# KiCad board RBCX.kicad_pcb
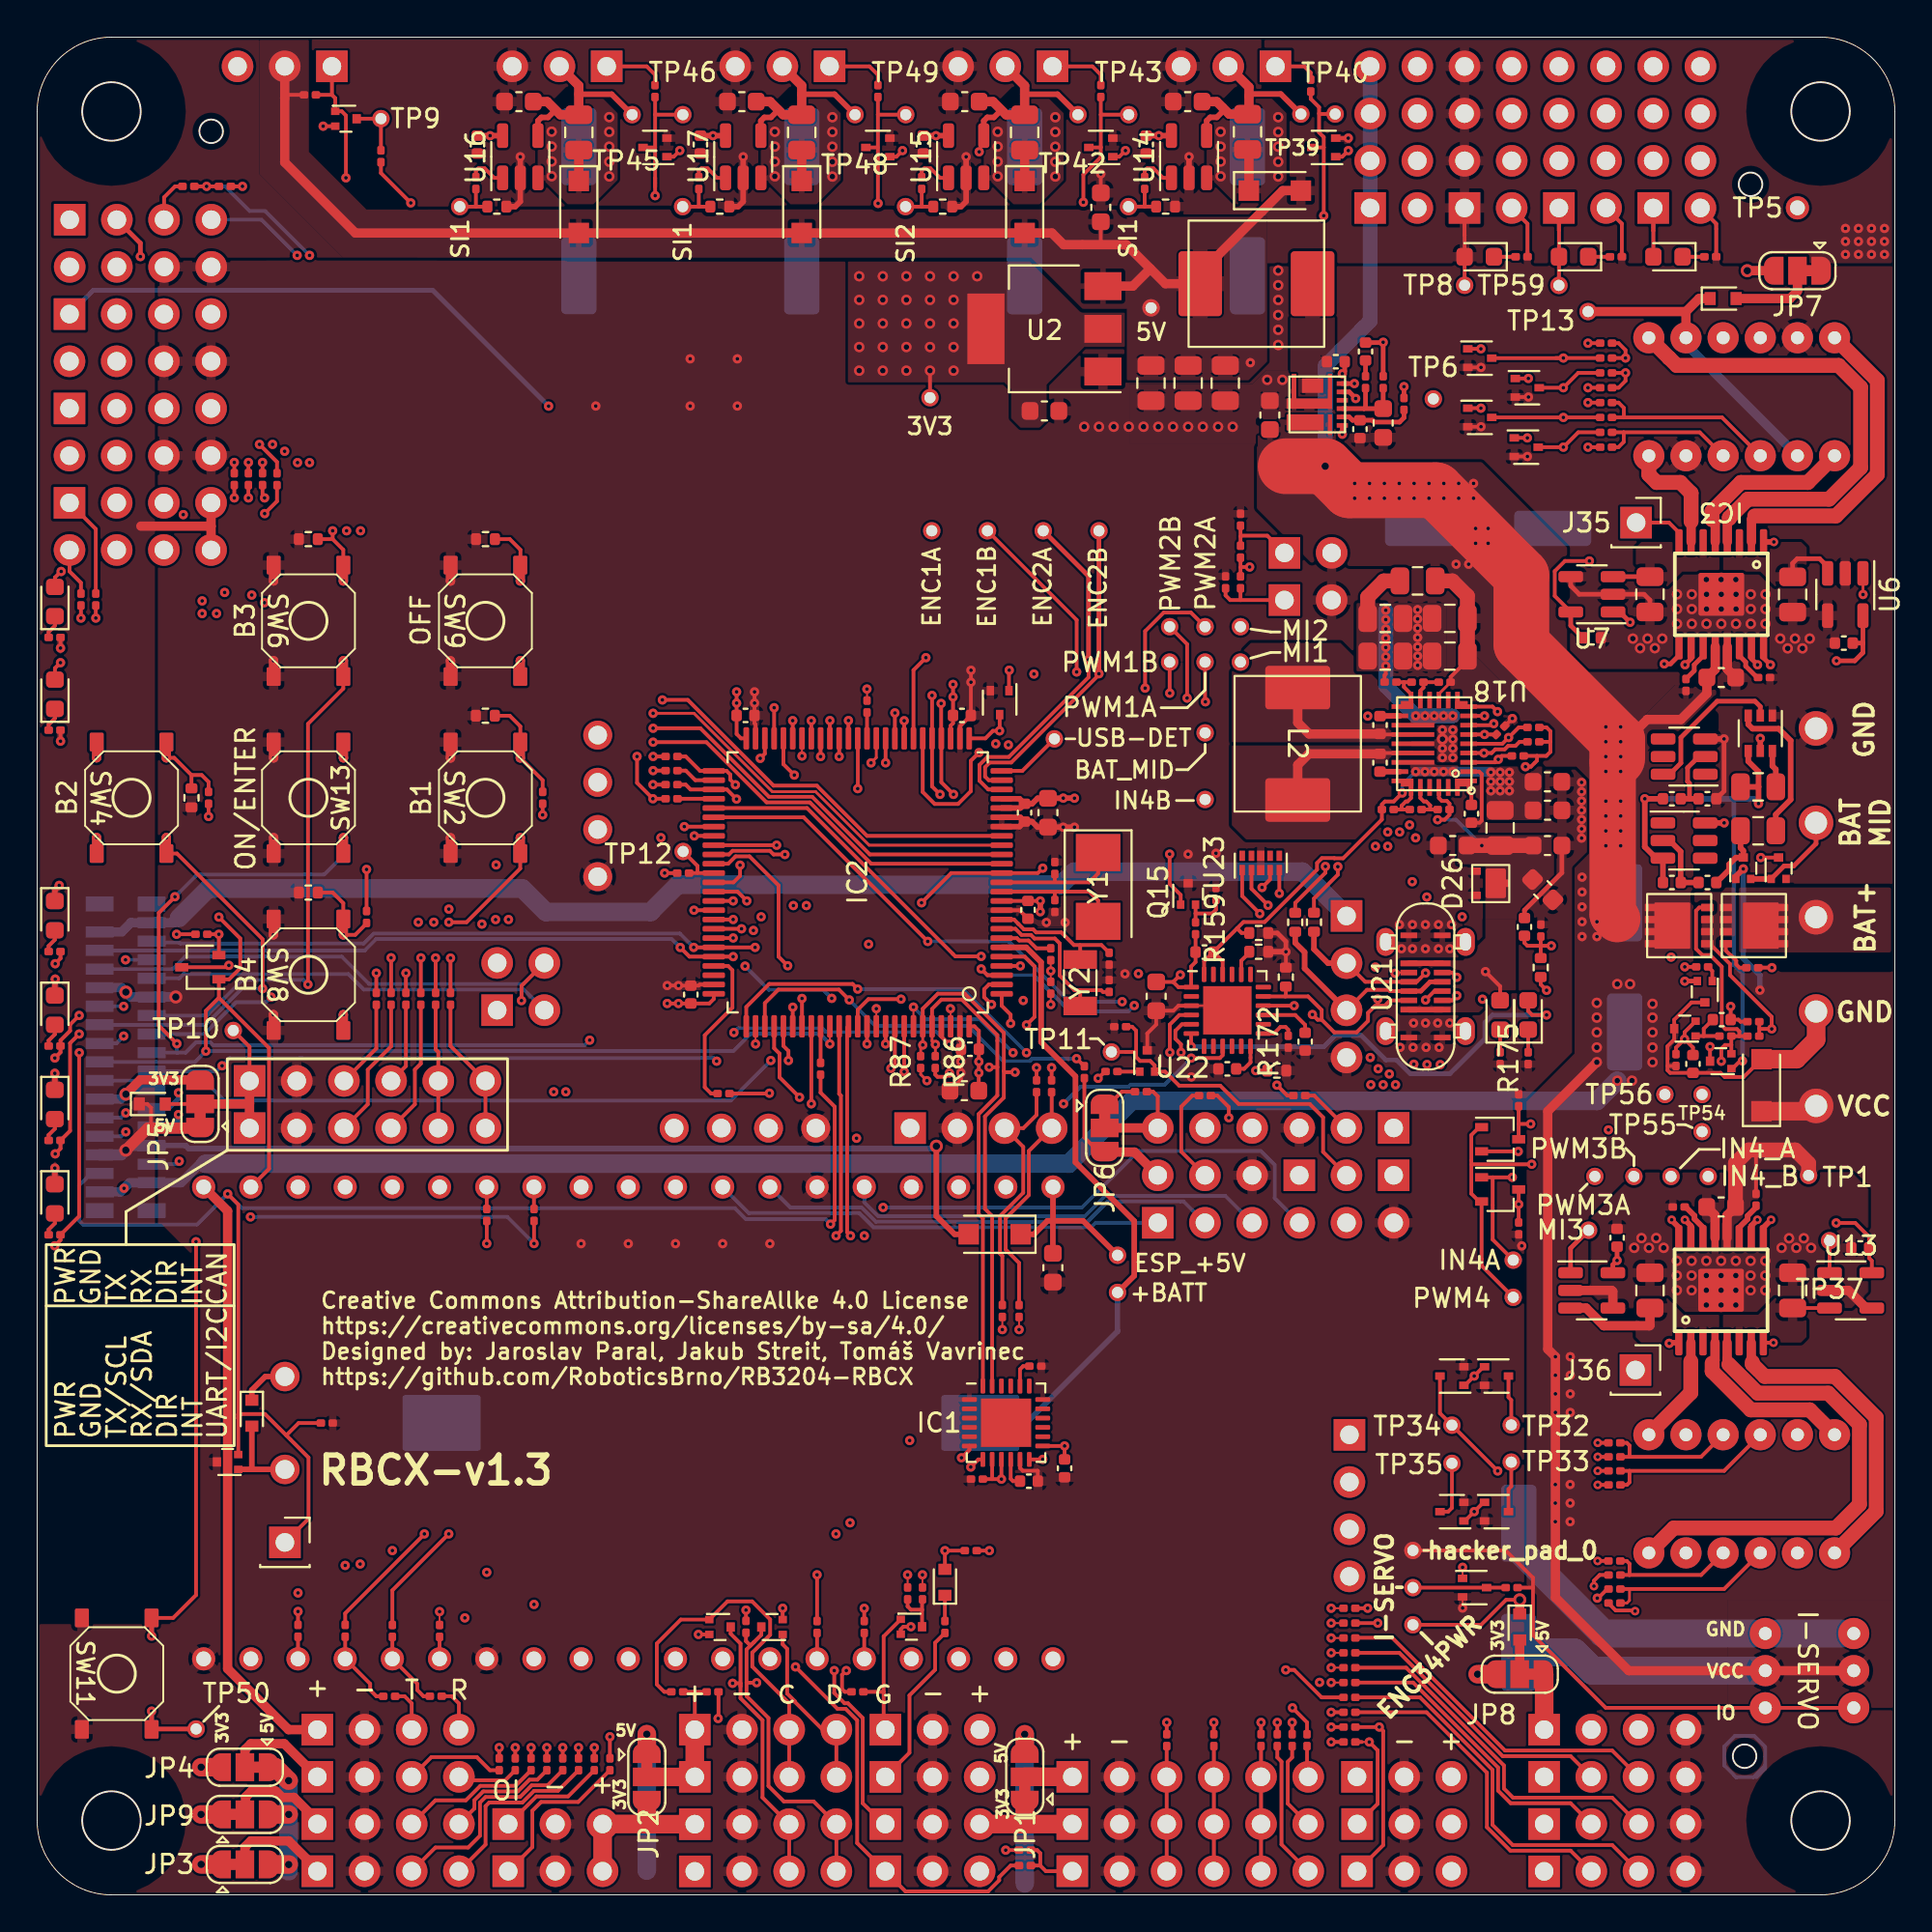
[diagram p0: board, top side]
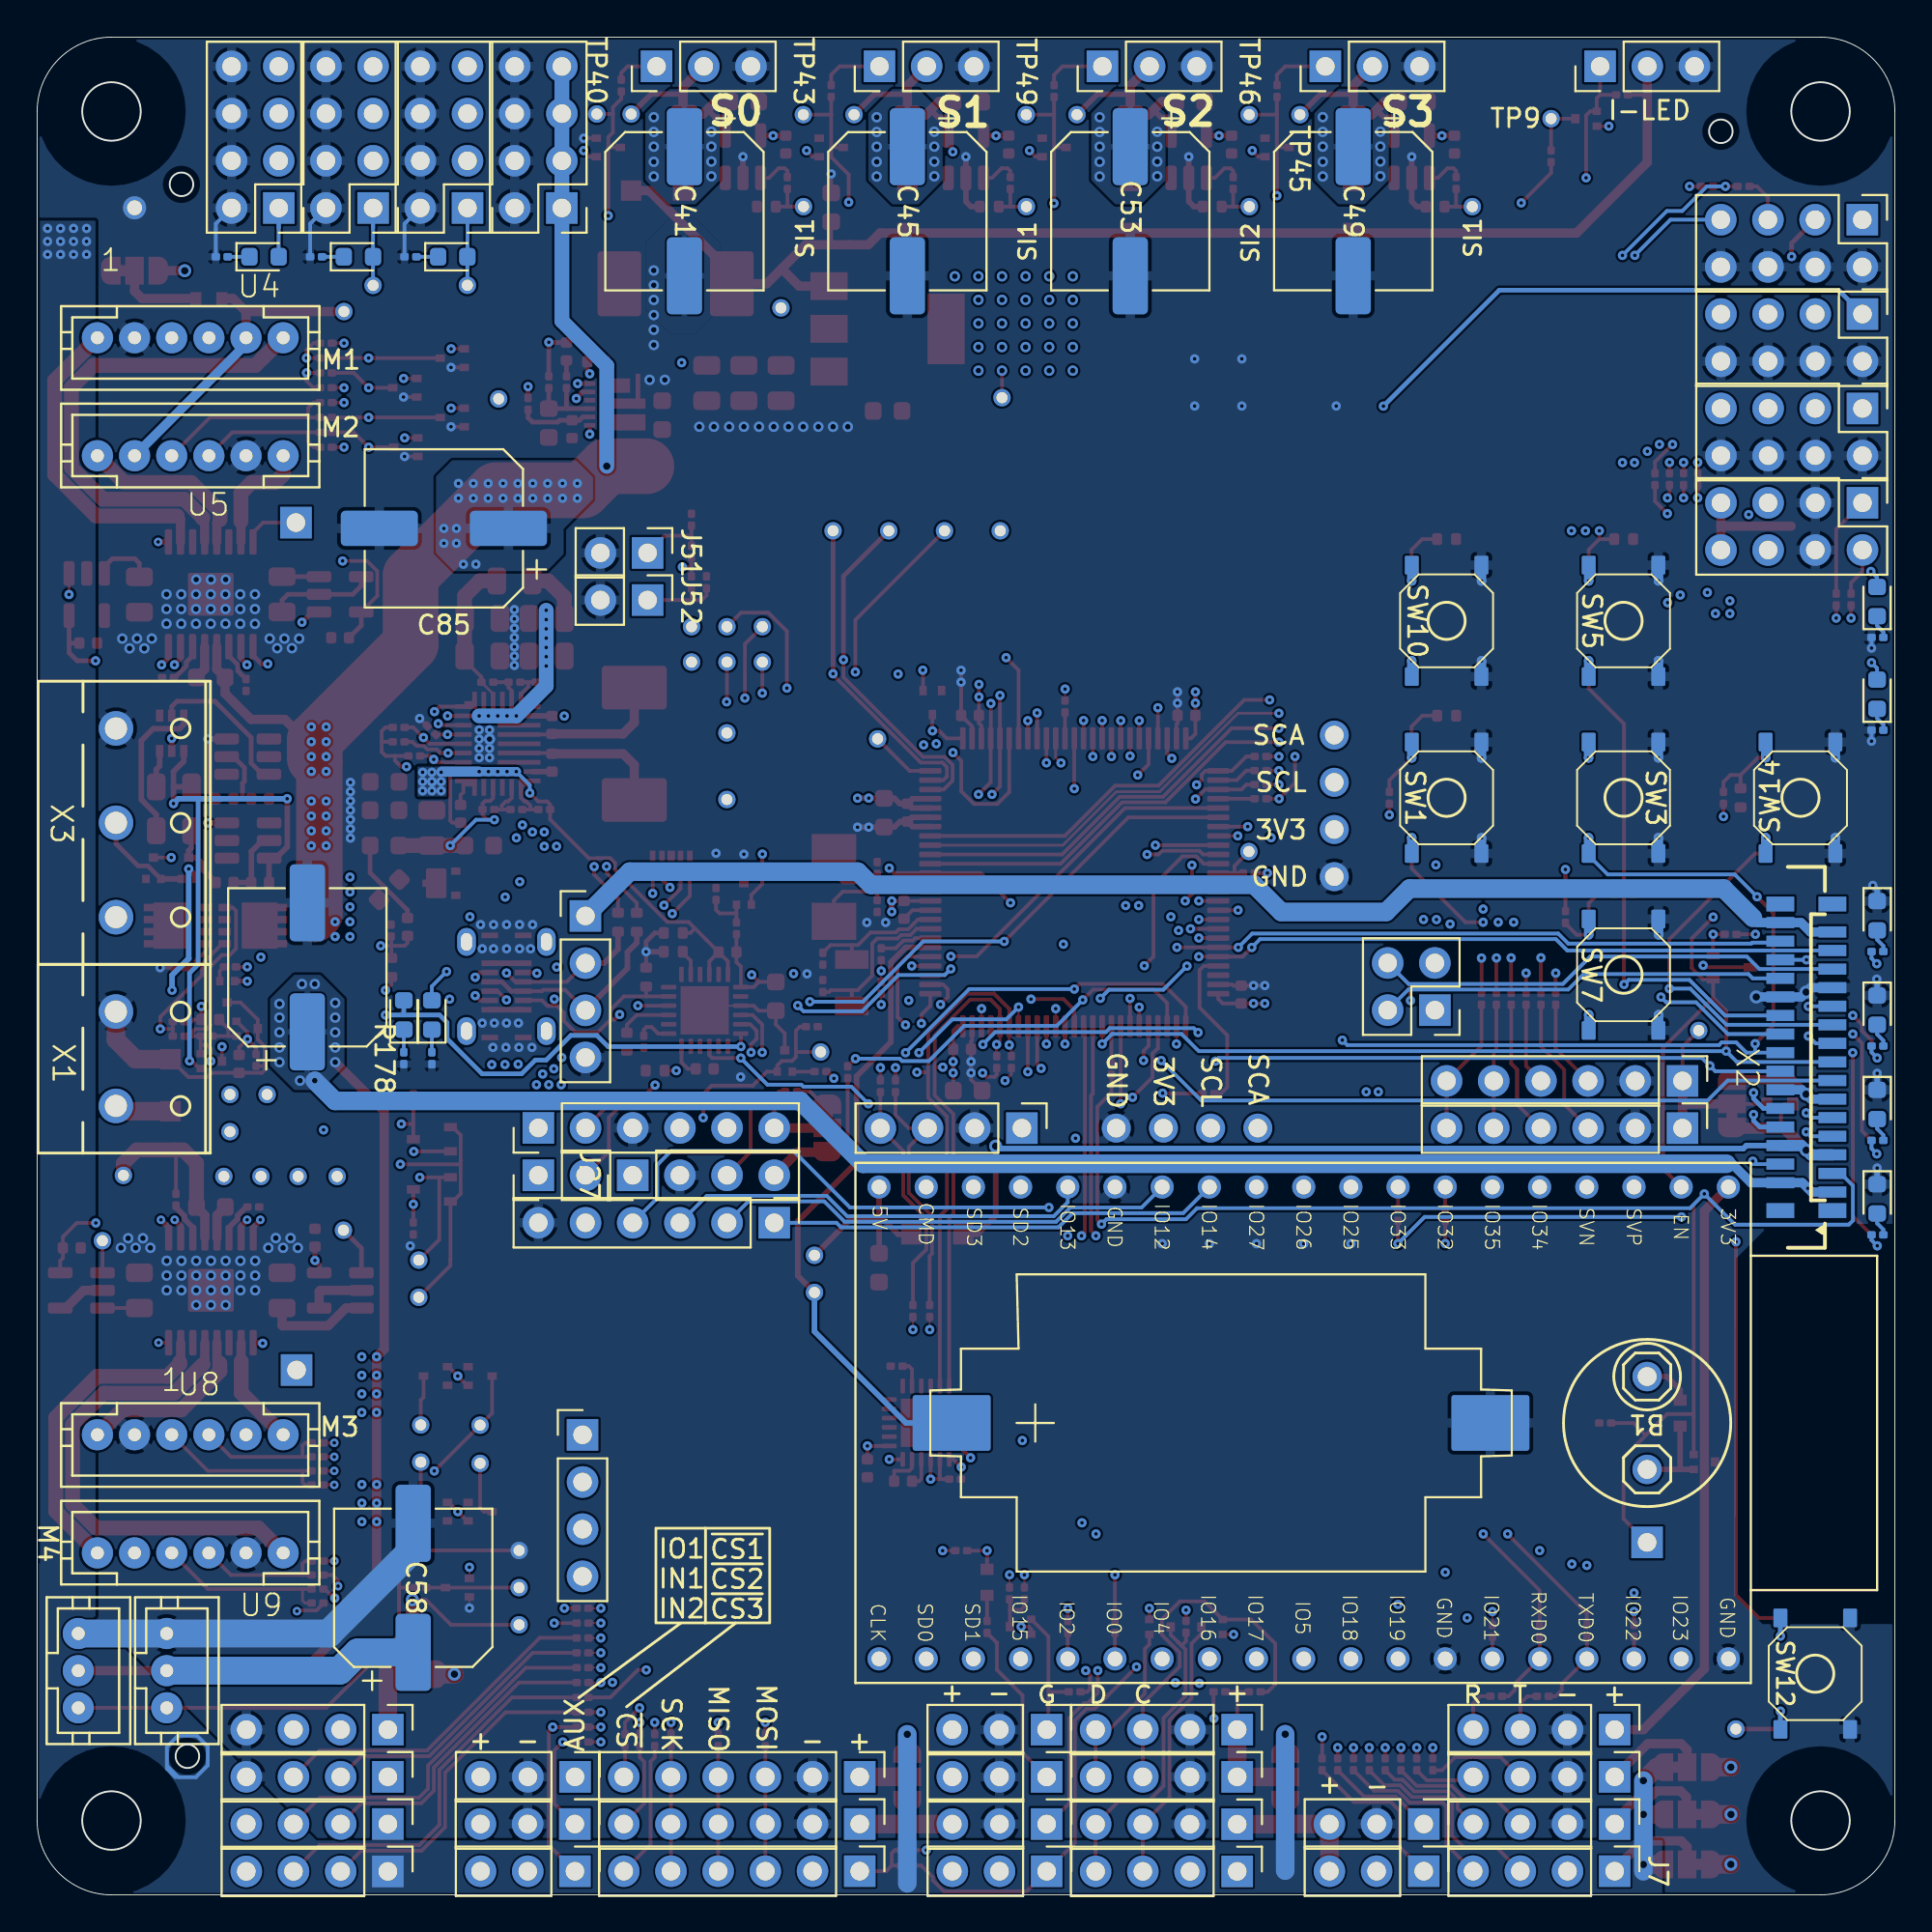
[diagram p1: board, bottom side, seen from below]

Outline 100 x 100 mm; copper layers: Top, In1.Cu, In2.Cu, Bottom. Coordinates in mm from the lower left corner of the outline.
Outline path: circle c4,96 r1.58 ; circle c4,4 r1.58 ; circle c9.37,94.93 r0.64 ; circle c91.91,7.46 r0.63 ; circle c92.23,92.08 r0.64 ; circle c96,96 r1.58 ; circle c96,4 r1.58 ; 0,96 0,4 arc(1.17,1.17) 4,0 96,0 arc(98.83,1.17) 100,4 100,96 arc(98.83,98.83) 96,100 4,100 arc(1.17,98.83) 0,96
Stack: Top 0.035mm / dielectric 0.5mm FR4 er 4.5 / In1.Cu 0.017mm / dielectric 0.5mm FR4 er 4.5 / In2.Cu 0.017mm / dielectric 0.486mm FR4 er 4.5 / Bottom 0.035mm

## Placement (name value [footprint] x y rotation side)
B1  -  [PIEZO]  13.34 25.4 180 bottom
BAT1  -  [CR2032]  36.27 25.4 0 bottom
C1  100nF  [C_0402_1005Metric]  69.91 82.53 180 top
C2  10uF  [C_0603_1608Metric]  66.36 79.65 90 top
C3  220pF  [C_0402_1005Metric]  71.51 83.08 270 top
C4  22uF  [C_0805_2012Metric]  63.96 81.38 270 top
C5  22uF  [C_0805_2012Metric]  59.96 81.38 270 top
C6  22uF  [C_0805_2012Metric]  61.96 81.38 270 top
C7  2.2uF  [C_0402_1005Metric]  71.21 78.9 270 top
C8  10uF  [C_0603_1608Metric]  57.26 90.84 90 top
C9  10uF  [C_0603_1608Metric]  54.22 79.88 0 top
C10  1uF  [R_0402_1005Metric]  24.13 63.47 180 top
C11  1uF  [R_0402_1005Metric]  8.31 59.05 270 top
C12  1uF  [R_0402_1005Metric]  14.6 72.98 180 top
C13  1uF  [R_0402_1005Metric]  14.6 53.95 180 top
C14  1uF  [R_0402_1005Metric]  24.13 72.98 180 top
C15  100nF  [C_0402_1005Metric]  53.34 53.02 90 top
C16  100nF  [C_0402_1005Metric]  50.21 45.52 0 top
C17  100nF  [C_0402_1005Metric]  35.19 48.46 270 top
C18  100nF  [C_0402_1005Metric]  38.13 63.49 180 top
C19  100nF  [C_0402_1005Metric]  49.78 63.49 180 top
C20  10uF  [C_0603_1608Metric]  49.91 43.29 180 top
C21  10nF  [C_0201_0603Metric]  50.59 22.38 180 top
C22  100nF  [C_0402_1005Metric]  55.31 22.96 90 top
C23  100nF  [C_0402_1005Metric]  53.39 22.27 180 top
C24  2.2nF  [C_0201_0603Metric]  53.73 28.46 180 top
C25  100nF  [C_0402_1005Metric]  53.15 58.25 90 top
C26  10uF  [C_0603_1608Metric]  54.41 58.25 270 top
C27  18pF  [C_0201_0603Metric]  54.78 53.23 270 top
C28  6.8pF  [C_0201_0603Metric]  57.71 48.92 90 top
C29  18pF  [C_0201_0603Metric]  54.78 55.27 90 top
C30  6.8pF  [C_0201_0603Metric]  57.71 50.39 270 top
C31  10uF  [C_0603_1608Metric]  90.66 65.53 180 top
C32  10nF  [C_0201_0603Metric]  88.76 65.13 270 top
C33  2.2nF  [C_0201_0603Metric]  92.96 65.53 180 top
C34  100nF  [C_0402_1005Metric]  97.25 67.38 180 top
C35  100nF  [C_0402_1005Metric]  83.69 67.67 180 top
C36  10uF  [C_0603_1608Metric]  90.65 37.03 0 top
C37  10nF  [C_0201_0603Metric]  92.53 37.42 90 top
C38  2.2nF  [C_0201_0603Metric]  88.37 37.03 0 top
C39  100nF  [C_0402_1005Metric]  85.05 35.37 90 top
C40  100nF  [C_0402_1005Metric]  98.14 34.82 0 top
C41  220uF  [CP_Elec_8x11.9]  65.16 90.63 270 bottom
C42  100nF  [C_0402_1005Metric]  59.7 94.22 90 top
C43  1uF  [R_0402_1005Metric]  60.75 90.88 0 top
C44  10uF  [C_0603_1608Metric]  61.93 96.53 180 top
C45  220uF  [CP_Elec_8x11.9]  53.16 90.63 270 bottom
C46  100nF  [C_0402_1005Metric]  47.7 94.22 90 top
C47  1uF  [R_0402_1005Metric]  48.75 90.88 0 top
C48  10uF  [C_0603_1608Metric]  49.93 96.53 180 top
C49  220uF  [CP_Elec_8x11.9]  29.16 90.63 270 bottom
C50  100nF  [C_0402_1005Metric]  23.7 94.22 90 top
C51  1uF  [R_0402_1005Metric]  24.75 90.88 0 top
C52  10uF  [C_0603_1608Metric]  25.93 96.53 180 top
C53  220uF  [CP_Elec_8x11.9]  41.16 90.63 270 bottom
C54  100nF  [C_0402_1005Metric]  35.7 94.22 90 top
C55  1uF  [R_0402_1005Metric]  36.75 90.88 0 top
C56  10uF  [C_0603_1608Metric]  37.93 96.53 180 top
C57  10uF  [C_0603_1608Metric]  54.68 33.76 270 top
C58  220uF  [CP_Elec_8x11.9]  79.76 16.53 90 bottom
C59  100nF  [C_0402_1005Metric]  72.29 60.94 90 top
C60  10uF  [C_0603_1608Metric]  81.3 59.91 0 top
C61  10uF  [C_0603_1608Metric]  81.3 58.38 0 top
C62  10uF  [C_0603_1608Metric]  81.05 54.11 315 top
C63  10uF  [C_0603_1608Metric]  81.3 56.48 0 top
C64  10uF  [C_0603_1608Metric]  76.2 56.48 180 top
C65  10nF  [C_0201_0603Metric]  74.21 58.42 0 top
C66  10nF  [C_0201_0603Metric]  74.31 65.28 0 top
C67  100nF  [C_0402_1005Metric]  72.29 62.97 270 top
C68  22uF  [C_0805_2012Metric]  72.57 66.68 0 top
C69  22uF  [C_0805_2012Metric]  72.57 68.71 0 top
C70  22uF  [C_0805_2012Metric]  76.04 68.71 180 top
C71  22uF  [C_0805_2012Metric]  76.04 66.68 180 top
C72  4.7uF  [C_0402_1005Metric]  77.21 58.19 270 top
C73  2.2uF  [C_0402_1005Metric]  80.06 52.1 90 top
C74  C_Polarized  [CP_Elec_8x11.9]  85.46 49.93 90 bottom
C75  100nF  [C_0402_1005Metric]  90.68 47.11 180 top
C76  2.2uF  [C_0402_1005Metric]  89.13 44.73 270 top
C77  10uF  [C_0603_1608Metric]  60.24 48.37 270 top
C78  1uF  [R_0402_1005Metric]  65.76 51.78 0 top
C79  100nF  [C_0402_1005Metric]  62.84 50.75 0 top
C80  1uF  [R_0402_1005Metric]  65.76 50.77 0 top
C81  100nF  [C_0402_1005Metric]  64.07 44.46 0 top
C82  100nF  [C_0402_1005Metric]  68.26 45.93 90 top
C83  100nF  [C_0402_1005Metric]  88 54.49 0 top
C84  100nF  [C_0402_1005Metric]  89.91 59 180 top
C85  C_Polarized  [CP_Elec_8x11.9]  78.11 73.56 0 bottom
D1  D  [D_SOD-523]  48.87 16.82 90 top
D2  D  [D_SOD-523]  6.2 42.57 0 top
D3  D  [D_SOD-523]  11.56 25.93 270 top
D4  D  [D_SOD-523]  90.76 85.93 0 top
D5  BAT54S  [SOT-523]  77.66 82.72 0 top
D6  BAT54S  [SOT-523]  80.21 81.13 0 top
D7  BAT54S  [SOT-523]  77.66 79.53 0 top
D8  BAT54S  [SOT-523]  80.16 77.93 0 top
D9  D  [D_SOD-523]  79.81 14.42 270 top
D10  BAT54S  [SOT-523]  78.56 27.93 0 top
D11  BAT54S  [SOT-523]  78.56 20.63 0 top
D12  BAT54S  [SOT-523]  76.16 27.93 180 top
D13  BAT54S  [SOT-523]  76.16 20.63 180 top
D14  D_Schottky  [D_SOD-123F]  66.63 91.74 0 top
D15  BAT54S  [SOT-523]  69.26 94.06 180 top
D16  D_Schottky  [D_SOD-123F]  53.16 90.86 270 top
D17  BAT54S  [SOT-523]  57.26 94.06 180 top
D18  D_Schottky  [D_SOD-123F]  29.16 90.86 270 top
D19  BAT54S  [SOT-523]  33.26 94.06 180 top
D20  D_Schottky  [D_SOD-123F]  41.16 90.86 270 top
D21  BAT54S  [SOT-523]  45.26 94.06 180 top
D22  D_Schottky  [D_SOD-123F]  51.54 35.56 180 top
D23  BAT54S  [SOT-523]  77.38 16.54 0 top
D24  BAT54S  [SOT-523]  51.81 64.18 270 top
D25  D_Schottky  [D_SOD-123F]  92.82 43.58 90 top
D26  PTVSHC3N24  [DFN3-2x2]  78.26 54.45 90 top
D27  red  [LED_0603_1608Metric]  0.96 64.63 90 bottom
D28  red  [LED_0603_1608Metric]  0.96 64.63 90 top
D29  red  [LED_0603_1608Metric]  77.63 88.18 180 top
D30  red  [LED_0603_1608Metric]  77.63 88.18 180 bottom
D31  red  [LED_0603_1608Metric]  0.96 69.62 90 top
D32  red  [LED_0603_1608Metric]  0.96 69.62 90 bottom
D33  green  [LED_0603_1608Metric]  0.95 52.71 270 bottom
D34  green  [LED_0603_1608Metric]  0.95 52.71 270 top
D35  yellow  [LED_0603_1608Metric]  0.95 47.62 270 bottom
D36  yellow  [LED_0603_1608Metric]  0.95 47.62 270 top
D37  red  [LED_0603_1608Metric]  0.95 42.55 270 bottom
D38  red  [LED_0603_1608Metric]  0.95 42.55 270 top
D39  blue  [LED_0603_1608Metric]  0.95 37.47 270 bottom
D40  blue  [LED_0603_1608Metric]  0.95 37.47 270 top
D41  red  [LED_0603_1608Metric]  78.75 47.36 90 top
D42  red  [LED_0603_1608Metric]  78.75 47.36 90 bottom
D43  red  [LED_0603_1608Metric]  80.26 47.36 90 top
D44  red  [LED_0603_1608Metric]  80.26 47.36 90 bottom
D45  red  [LED_0603_1608Metric]  87.79 88.18 180 top
D46  red  [LED_0603_1608Metric]  87.79 88.18 180 bottom
D47  red  [LED_0603_1608Metric]  82.71 88.18 180 top
D48  red  [LED_0603_1608Metric]  82.71 88.18 180 bottom
IC1  MPU-6050  [QFN-24-1EP_4x4mm_P0.5mm_EP2.7x2.6mm]  52.16 25.41 0 top
IC2  STM32F103VCT6  [LQFN100_14x14mm]  44.17 54.5 90 top
IC3  DRV8833PWP  [HTSSOP-16]  90.66 70.01 180 top
IC4  DRV8833PWP  [HTSSOP-16]  90.65 32.54 0 top
IM1  -  [DISPLAY-OLED-128X64-I2C-W_HOLES]  28.91 58.62 90 top
IM2  -  [DISPLAY-OLED-128X32]  38.1 41.27 90 top
IM3  DEVKITC  [ESP32-DEVKITC]  8.96 25.4 270 bottom
J1  Conn_02x02_Odd_Even  [PinHeader_2x02_P2.54mm_Vertical]  24.76 47.62 0 bottom
J2  Conn_02x04_Odd_Even  [PinHeader_2x04_P2.54mm_Vertical]  81.91 90.81 0 bottom
J3  Conn_02x04_Odd_Even  [PinHeader_2x04_P2.54mm_Vertical]  76.84 90.81 0 bottom
J4  Conn_02x04_Odd_Even  [PinHeader_2x04_P2.54mm_Vertical]  71.75 90.81 0 bottom
J5  Conn_01x06  [PinHeader_1x06_P2.54mm_Vertical]  55.72 6.35 270 bottom
J6  Conn_01x04  [PinHeader_1x04_P2.54mm_Vertical]  35.4 6.35 270 bottom
J7  Conn_01x04  [PinHeader_1x04_P2.54mm_Vertical]  15.08 1.27 270 bottom
J8  Conn_01x03  [PinHeader_1x03_P2.54mm_Vertical]  71.05 6.35 270 bottom
J9  Conn_01x04  [PinHeader_1x04_P2.54mm_Vertical]  35.4 8.89 270 bottom
J10  Conn_01x03  [PinHeader_1x03_P2.54mm_Vertical]  25.36 1.27 270 bottom
J11  Conn_01x03  [PinHeader_1x03_P2.54mm_Vertical]  45.66 8.89 270 bottom
J12  Conn_01x06  [PinHeader_1x06_P2.54mm_Vertical]  55.72 3.81 270 bottom
J13  Conn_01x04  [PinHeader_1x04_P2.54mm_Vertical]  15.08 3.81 270 bottom
J14  Conn_01x03  [PinHeader_1x03_P2.54mm_Vertical]  45.66 6.35 270 bottom
J15  Conn_01x03  [PinHeader_1x03_P2.54mm_Vertical]  71.06 3.81 270 bottom
J16  Conn_01x03  [PinHeader_1x03_P2.54mm_Vertical]  25.36 3.81 270 bottom
J17  Conn_01x04  [PinHeader_1x04_P2.54mm_Vertical]  35.4 3.8 270 bottom
J18  Conn_01x06  [PinHeader_1x06_P2.54mm_Vertical]  55.72 1.27 270 bottom
J19  Conn_01x03  [PinHeader_1x03_P2.54mm_Vertical]  45.66 3.81 270 bottom
J20  Conn_01x03  [PinHeader_1x03_P2.54mm_Vertical]  71.05 1.27 270 bottom
J21  Conn_01x03  [PinHeader_1x03_P2.54mm_Vertical]  15.87 98.43 90 bottom
J22  Conn_01x04  [PinHeader_1x04_P2.54mm_Vertical]  35.4 1.26 270 bottom
J23  Conn_01x03  [PinHeader_1x03_P2.54mm_Vertical]  45.66 1.27 270 bottom
J24  Conn_01x06  [PinHeader_1x06_P2.54mm_Vertical]  73.02 41.28 90 bottom
J25  Conn_01x06  [PinHeader_1x06_P2.54mm_Vertical]  60.32 36.18 270 bottom
J26  Conn_01x06  [PinHeader_1x06_P2.54mm_Vertical]  11.43 41.27 270 bottom
J27  Conn_01x04  [PinHeader_1x04_P2.54mm_Vertical]  67.94 38.73 90 bottom
J28  Conn_01x06  [PinHeader_1x06_P2.54mm_Vertical]  11.43 43.81 270 bottom
J29  Conn_01x01  [PinSocket_1x01_P2.54mm_Vertical]  13.34 18.97 0 top
J30  Conn_02x04_Odd_Even  [PinHeader_2x04_P2.54mm_Vertical]  1.74 80.01 270 bottom
J31  Conn_02x04_Odd_Even  [PinHeader_2x04_P2.54mm_Vertical]  1.74 85.09 270 bottom
J32  Conn_01x02  [PinHeader_1x02_P2.54mm_Vertical]  73.02 38.73 90 bottom
J33  Conn_02x04_Odd_Even  [PinHeader_2x04_P2.54mm_Vertical]  1.75 90.17 270 bottom
J34  Conn_01x04  [PinHeader_1x04_P2.54mm_Vertical]  46.99 41.27 270 bottom
J35  Conn_01x01  [PinSocket_1x01_P2.54mm_Vertical]  86.07 73.87 0 top
J36  Conn_01x01  [PinSocket_1x01_P2.54mm_Vertical]  86.04 28.25 0 top
J37  Conn_01x03  [PinHeader_1x03_P2.54mm_Vertical]  66.66 98.43 90 bottom
J38  Conn_01x03  [PinHeader_1x03_P2.54mm_Vertical]  54.66 98.43 90 bottom
J39  Conn_01x03  [PinHeader_1x03_P2.54mm_Vertical]  30.66 98.43 90 bottom
J40  Conn_01x03  [PinHeader_1x03_P2.54mm_Vertical]  42.66 98.43 90 bottom
J41  Conn_01x04  [PinHeader_1x04_P2.54mm_Vertical]  81.12 1.26 270 bottom
J42  Conn_02x04_Odd_Even  [PinHeader_2x04_P2.54mm_Vertical]  1.74 74.93 270 bottom
J43  Conn_01x04  [PinHeader_1x04_P2.54mm_Vertical]  81.12 3.81 270 bottom
J44  Conn_01x04  [PinHeader_1x04_P2.54mm_Vertical]  15.08 6.35 270 bottom
J45  Conn_01x04  [PinHeader_1x04_P2.54mm_Vertical]  81.12 6.35 270 bottom
J46  Conn_01x04  [PinHeader_1x04_P2.54mm_Vertical]  81.12 8.89 270 bottom
J47  Conn_01x04  [PinHeader_1x04_P2.54mm_Vertical]  15.08 8.89 270 bottom
J48  Conn_02x04_Odd_Even  [PinHeader_2x04_P2.54mm_Vertical]  87 90.81 0 bottom
J49  Conn_01x04  [PinHeader_1x04_P2.54mm_Vertical]  70.49 52.7 180 bottom
J50  Conn_01x04  [PinHeader_1x04_P2.54mm_Vertical]  70.64 24.76 180 bottom
J51  Conn_01x02  [PinHeader_1x02_P2.54mm_Vertical]  67.14 72.24 270 bottom
J52  Conn_01x02  [PinHeader_1x02_P2.54mm_Vertical]  67.14 69.7 270 bottom
JP1  SolderJumper_3_Bridged12  [SolderJumper-3_P1.3mm_Bridged12_RoundedPad1.0x1.5mm]  53.16 6.35 90 top
JP2  SolderJumper_3_Bridged12  [SolderJumper-3_P1.3mm_Bridged12_RoundedPad1.0x1.5mm]  32.82 6.35 270 top
JP3  SolderJumper_3_Bridged12  [SolderJumper-3_P1.3mm_Bridged12_RoundedPad1.0x1.5mm]  11.18 1.64 0 top
JP4  SolderJumper_3_Bridged12  [SolderJumper-3_P1.3mm_Bridged12_RoundedPad1.0x1.5mm]  11.18 4.33 0 top
JP5  SolderJumper_3_Bridged12  [SolderJumper-3_P1.3mm_Bridged12_RoundedPad1.0x1.5mm]  8.77 42.58 90 top
JP6  SolderJumper_3_Bridged12  [SolderJumper-3_P1.3mm_Bridged12_RoundedPad1.0x1.5mm]  57.46 41.28 270 top
JP7  SolderJumper_3_Bridged12  [SolderJumper-3_P1.3mm_Bridged12_RoundedPad1.0x1.5mm]  94.76 87.43 180 top
JP8  SolderJumper_3_Bridged12  [SolderJumper-3_P1.3mm_Bridged12_RoundedPad1.0x1.5mm]  79.81 11.88 180 top
JP9  SolderJumper_3_Bridged12  [SolderJumper-3_P1.3mm_Bridged12_RoundedPad1.0x1.5mm]  11.18 6.87 180 top
JP10  INTELIGENT_SERVO  [JST-PH3]  93.03 12.07 270 bottom
JP11  INTELIGENT_SERVO  [JST-PH3]  97.79 12.07 270 bottom
L1  1.5uH  [FXL0630]  65.63 86.73 0 top
L2  1.5uH  [FXL0630]  67.86 61.96 270 top
Q1  Q_NMOS_DGS  [SOT-723]  36.76 14.42 0 top
Q2  Q_NMOS_DGS  [SOT-723]  39.56 14.42 180 top
Q3  Q_NMOS_DGS  [SOT-723]  47.06 14.43 0 top
Q4  Q_NMOS_DGS  [SOT-723]  16.62 95.61 0 top
Q5  Q_NMOS_DGS  [SOT-723]  10.25 23.3 180 top
Q6  Q_NMOS_DGS  [SOT-723]  59.76 44.89 90 top
Q7  Q_NMOS_DGS  [SOT-723]  89.77 48.61 270 top
Q8  Q_NMOS_DGS  [SOT-723]  88.7 46.63 180 top
Q9  Q_PMOS_DGS  [SOT-723]  91.84 55.26 90 top
Q10  Q_PMOS_DGS  [SOT-723]  93.74 55.26 90 top
Q11  Q_PMOS_DGS  [SOT-723]  90.63 44.88 180 top
Q12  Q_PMOS_DGS  [JMSL0302AU]  92.41 52.17 90 top
Q13  2N7002KDW  [SOT-363_SC-70-6]  92.76 62.53 270 top
Q14  Q_PMOS_DGS  [JMSL0302AU]  88.39 52.17 270 top
Q15  Q_NMOS_DGS  [SOT-723]  61.96 53.88 90 top
R1  330  [C_0201_0603Metric]  34.15 61.28 0 top
R2  330  [C_0201_0603Metric]  14.04 14.21 90 top
R3  330  [C_0201_0603Metric]  34.15 60.52 0 top
R4  330  [C_0201_0603Metric]  21.66 14.21 90 top
R5  330  [C_0201_0603Metric]  34.15 59 0 top
R6  330  [C_0201_0603Metric]  34.15 59.76 0 top
R7  330  [C_0201_0603Metric]  26.75 36.6 270 top
R8  10k  [C_0201_0603Metric]  73.58 80.26 90 top
R9  100k  [C_0201_0603Metric]  72.46 81.43 90 top
R10  1k  [R_0201_0603Metric]  71.51 81.43 90 top
R11  13.7k  [C_0603_1608Metric]  72.46 79.23 270 top
R12  4k7  [R_0201_0603Metric]  0.94 62.7 180 bottom
R13  4k7  [R_0201_0603Metric]  0.94 62.7 180 top
R14  2.2k  [R_0201_0603Metric]  79.9 88.18 0 top
R15  2.2k  [R_0201_0603Metric]  79.9 88.18 0 bottom
R16  1k  [R_0201_0603Metric]  0.94 67.69 180 top
R17  1k  [R_0201_0603Metric]  0.94 67.69 180 bottom
R18  4k7  [R_0201_0603Metric]  53.17 2.41 0 top
R19  4k7  [R_0201_0603Metric]  34.46 10.93 0 top
R20  330  [C_0201_0603Metric]  60.81 8.33 270 top
R21  330  [C_0201_0603Metric]  63.34 8.33 270 top
R22  330  [C_0201_0603Metric]  65.88 8.33 270 top
R23  330  [C_0201_0603Metric]  68.36 8.33 270 top
R24  330  [C_0201_0603Metric]  28.29 7.03 270 top
R25  330  [C_0201_0603Metric]  29.14 7.03 270 top
R26  330  [C_0201_0603Metric]  24.2 36.6 270 top
R27  330  [C_0201_0603Metric]  30.83 7.03 270 top
R28  4k7  [R_0201_0603Metric]  38.16 14.43 90 top
R29  4k7  [R_0201_0603Metric]  36.36 10.93 180 top
R30  4k7  [R_0201_0603Metric]  50.26 18.53 0 top
R31  4k7  [R_0201_0603Metric]  46.86 16.23 90 top
R32  4k7  [R_0201_0603Metric]  44.16 10.93 180 top
R33  330  [C_0201_0603Metric]  67.56 8.33 270 top
R34  330  [C_0201_0603Metric]  26.59 7.03 270 top
R35  330  [C_0201_0603Metric]  47.66 16.23 270 top
R36  330  [C_0201_0603Metric]  27.44 7.03 270 top
R37  100k  [C_0201_0603Metric]  70.64 8.23 180 top
R38  330  [C_0201_0603Metric]  48.87 14.42 270 top
R39  330  [C_0201_0603Metric]  29.99 7.03 270 top
R40  330  [C_0201_0603Metric]  66.76 8.33 270 top
R41  10k  [C_0201_0603Metric]  14.69 96.89 180 top
R42  100k  [C_0201_0603Metric]  70.64 9.03 180 top
R43  330  [C_0201_0603Metric]  18.51 93.59 90 top
R44  4k7  [R_0201_0603Metric]  53.17 1.58 0 top
R45  330  [C_0201_0603Metric]  67.94 43.02 0 top
R46  330  [C_0201_0603Metric]  36.95 43.13 0 top
R47  330  [C_0201_0603Metric]  19.05 48.23 270 top
R48  330  [C_0201_0603Metric]  59.42 43.23 180 top
R49  330  [C_0201_0603Metric]  20.65 48.23 270 top
R50  330  [C_0201_0603Metric]  21.45 48.23 270 top
R51  330  [C_0201_0603Metric]  22.25 48.23 270 top
R52  330  [C_0201_0603Metric]  62.86 43.02 180 top
R53  330  [C_0201_0603Metric]  56.37 44.28 270 top
R54  330  [C_0201_0603Metric]  18.26 48.23 270 top
R55  330  [C_0201_0603Metric]  19.85 48.23 270 top
R56  330  [C_0201_0603Metric]  0.94 50.78 180 bottom
R57  330  [C_0201_0603Metric]  27.21 59.05 90 top
R58  330  [C_0201_0603Metric]  0.94 50.78 180 top
R59  330  [C_0201_0603Metric]  0.94 45.7 180 bottom
R60  330  [C_0201_0603Metric]  9.23 59.05 90 top
R61  330  [C_0201_0603Metric]  0.94 45.7 180 top
R62  330  [C_0201_0603Metric]  42.17 44.47 270 top
R63  330  [C_0201_0603Metric]  0.94 40.61 180 bottom
R64  1M  [R_0201_0603Metric]  15.59 25.4 0 top
R65  330  [C_0201_0603Metric]  0.94 40.61 180 top
R66  330  [C_0201_0603Metric]  44.67 63.97 90 top
R67  330  [C_0201_0603Metric]  0.94 35.53 180 bottom
R68  330  [C_0201_0603Metric]  0.94 35.53 180 top
R69  330  [C_0201_0603Metric]  17.73 52.64 270 top
R70  330  [C_0201_0603Metric]  12.91 76.2 90 top
R71  330  [C_0201_0603Metric]  10.61 76.21 90 top
R72  330  [C_0201_0603Metric]  11.37 76.21 90 top
R73  330  [C_0201_0603Metric]  12.13 76.21 90 top
R74  2.2k  [R_0201_0603Metric]  8.84 51.71 180 top
R75  1M  [R_0201_0603Metric]  10.11 91.97 180 top
R76  330  [C_0201_0603Metric]  57.83 44.32 180 top
R77  100k  [C_0201_0603Metric]  58.3 46.73 0 top
R78  330  [C_0201_0603Metric]  8.14 91.97 180 top
R79  330  [C_0201_0603Metric]  34.77 55 180 top
R80  4k7  [R_0201_0603Metric]  53.8 43.53 90 top
R81  4k7  [R_0201_0603Metric]  54.61 43.53 90 top
R82  330  [C_0201_0603Metric]  51.96 31.43 90 top
R83  330  [C_0201_0603Metric]  52.86 31.43 90 top
R84  4k7  [R_0201_0603Metric]  79.7 61.31 0 top
R85  4k7  [R_0201_0603Metric]  80.54 62.07 0 top
R86  330  [C_0201_0603Metric]  48.35 44.83 270 top
R87  330  [C_0201_0603Metric]  47.56 44.83 90 top
R88  10k  [C_0201_0603Metric]  84.46 83.53 0 top
R89  10k  [C_0201_0603Metric]  84.46 81.13 180 top
R90  10k  [C_0201_0603Metric]  84.46 80.33 0 top
R91  10k  [C_0201_0603Metric]  84.46 77.93 180 top
R92  2.2k  [R_0201_0603Metric]  84.46 82.73 180 top